# Altium PCB BMD_RevB_PCB.PcbDoc (part 1 of 3)
Units mil, origin at the board's own origin, x right, y up, seen from the top; angles counter-clockwise.
Board outline 5748.03 x 2329.72 mil, 6 copper layers (L1-Top, L2-GND, L3-MID, L4-PWR, L5-PWR5V, L6-Bottom), stack 60.268 mil thick; 313 components, 215 nets, 1099 pads, 390 vias.
Unrouted connection lines stored in the file: 98.
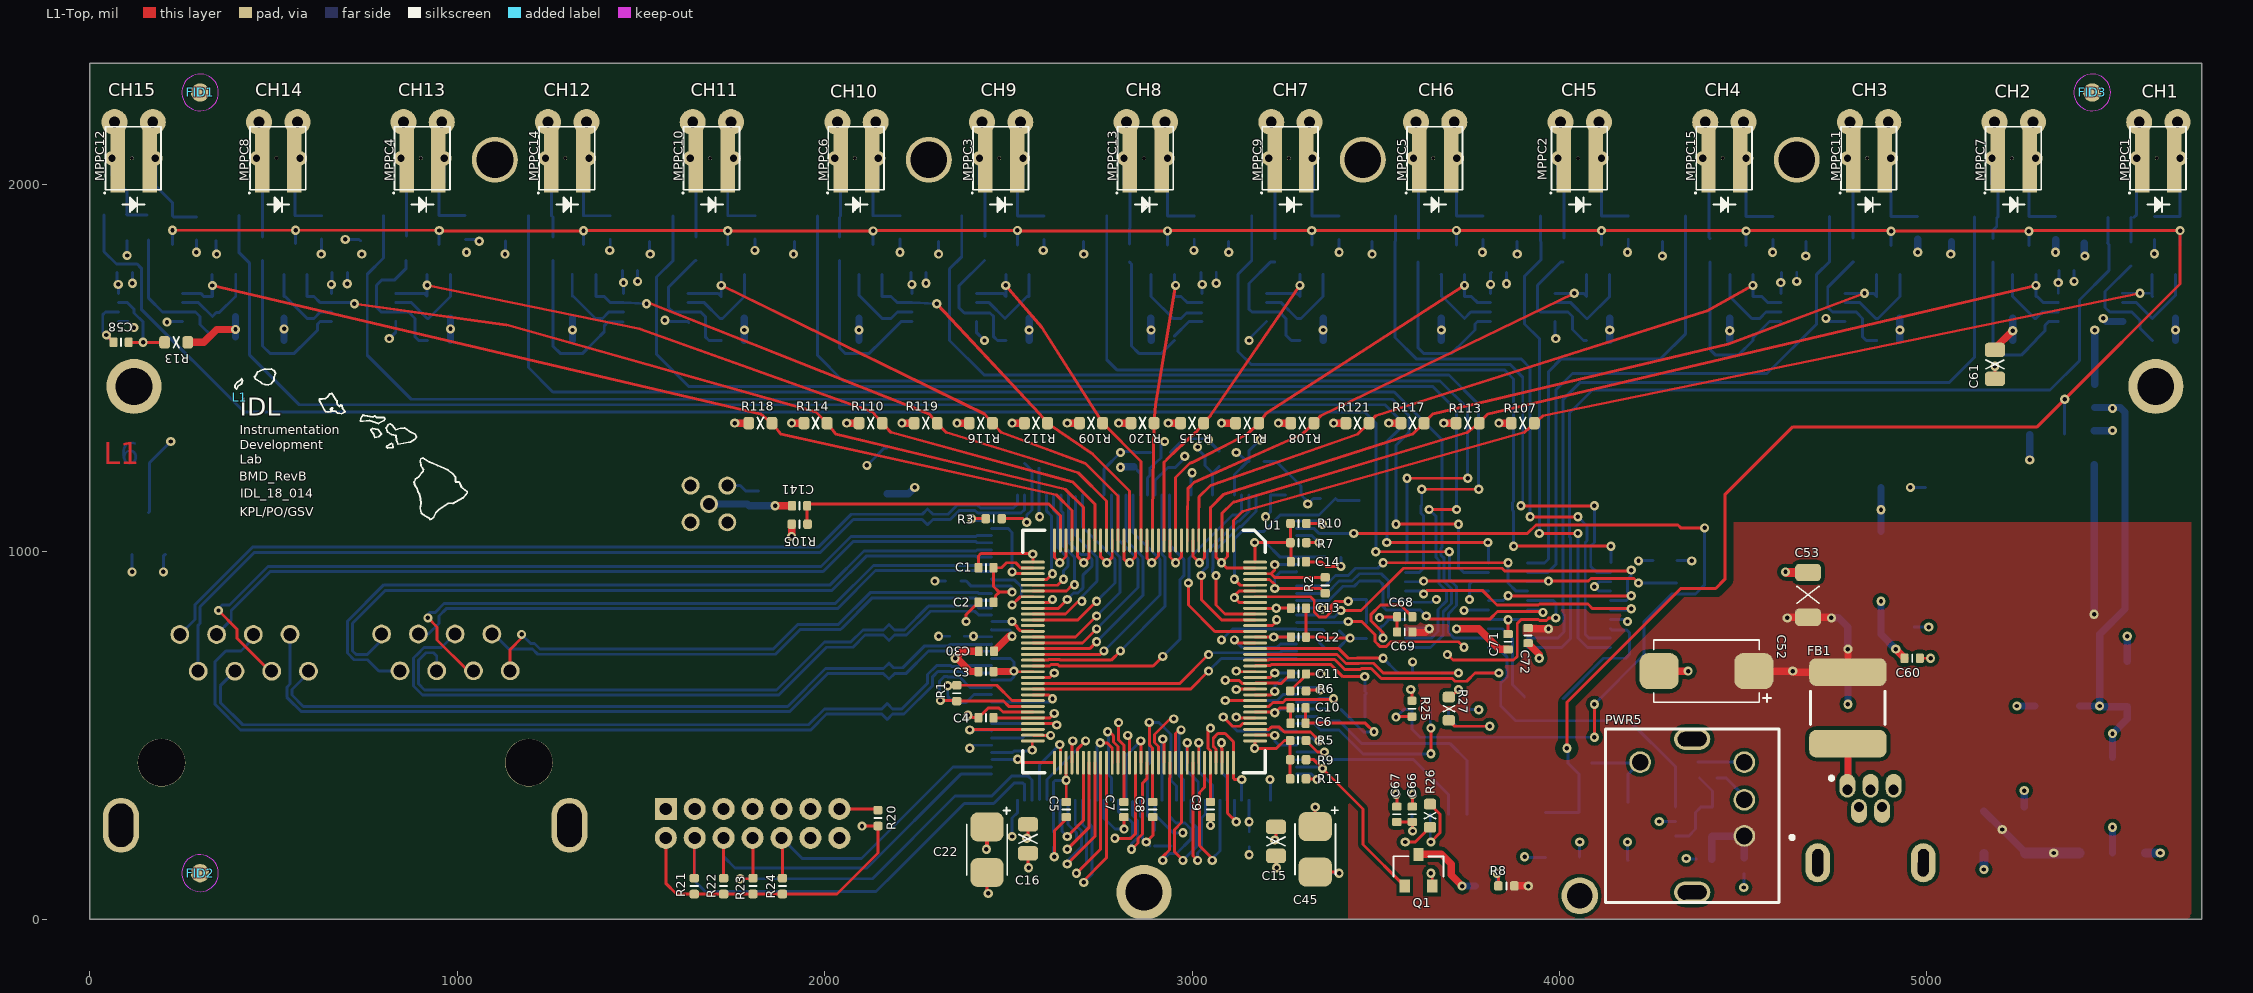
[diagram p0: L1-Top view]
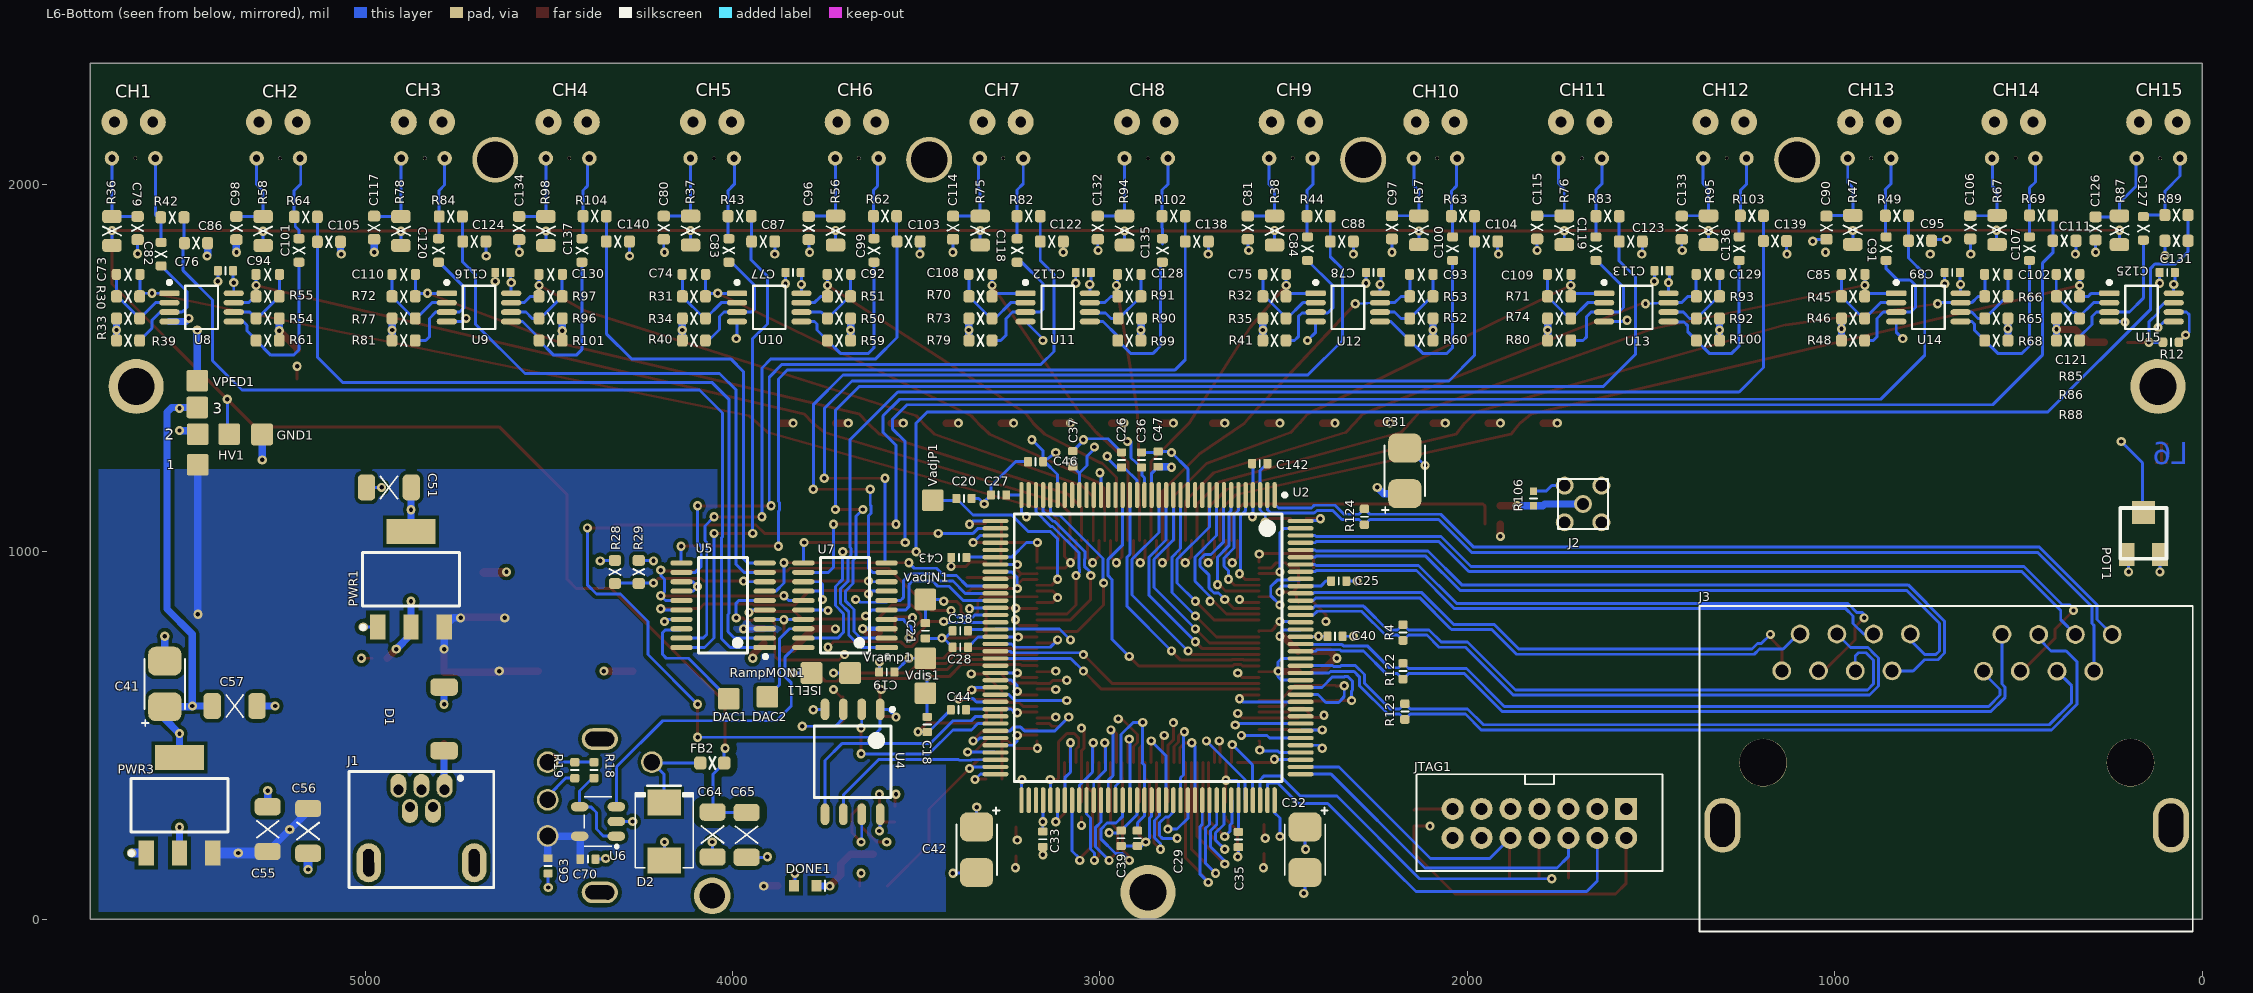
[diagram p1: L6-Bottom view, seen from below]
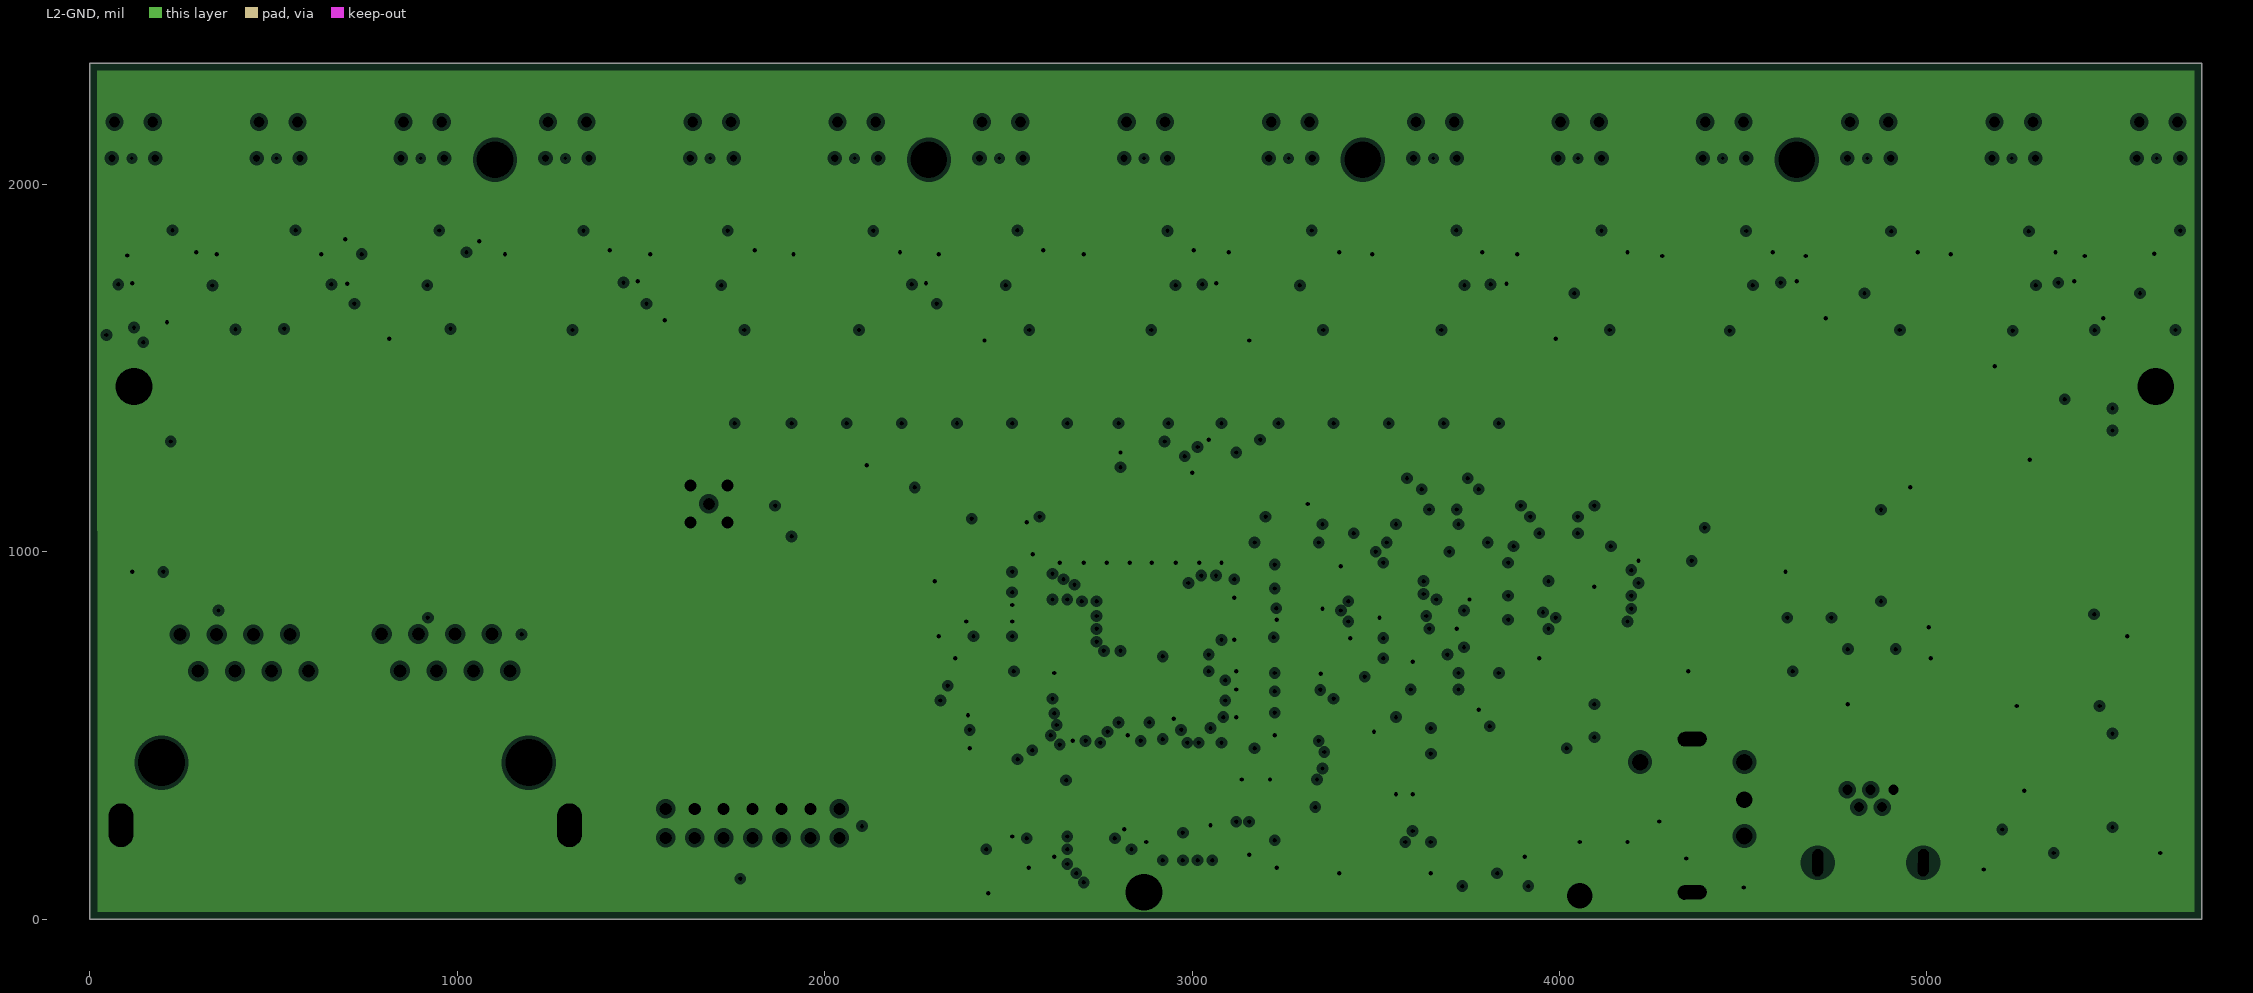
[diagram p2: L2-GND, clearances drawn from the general rule]
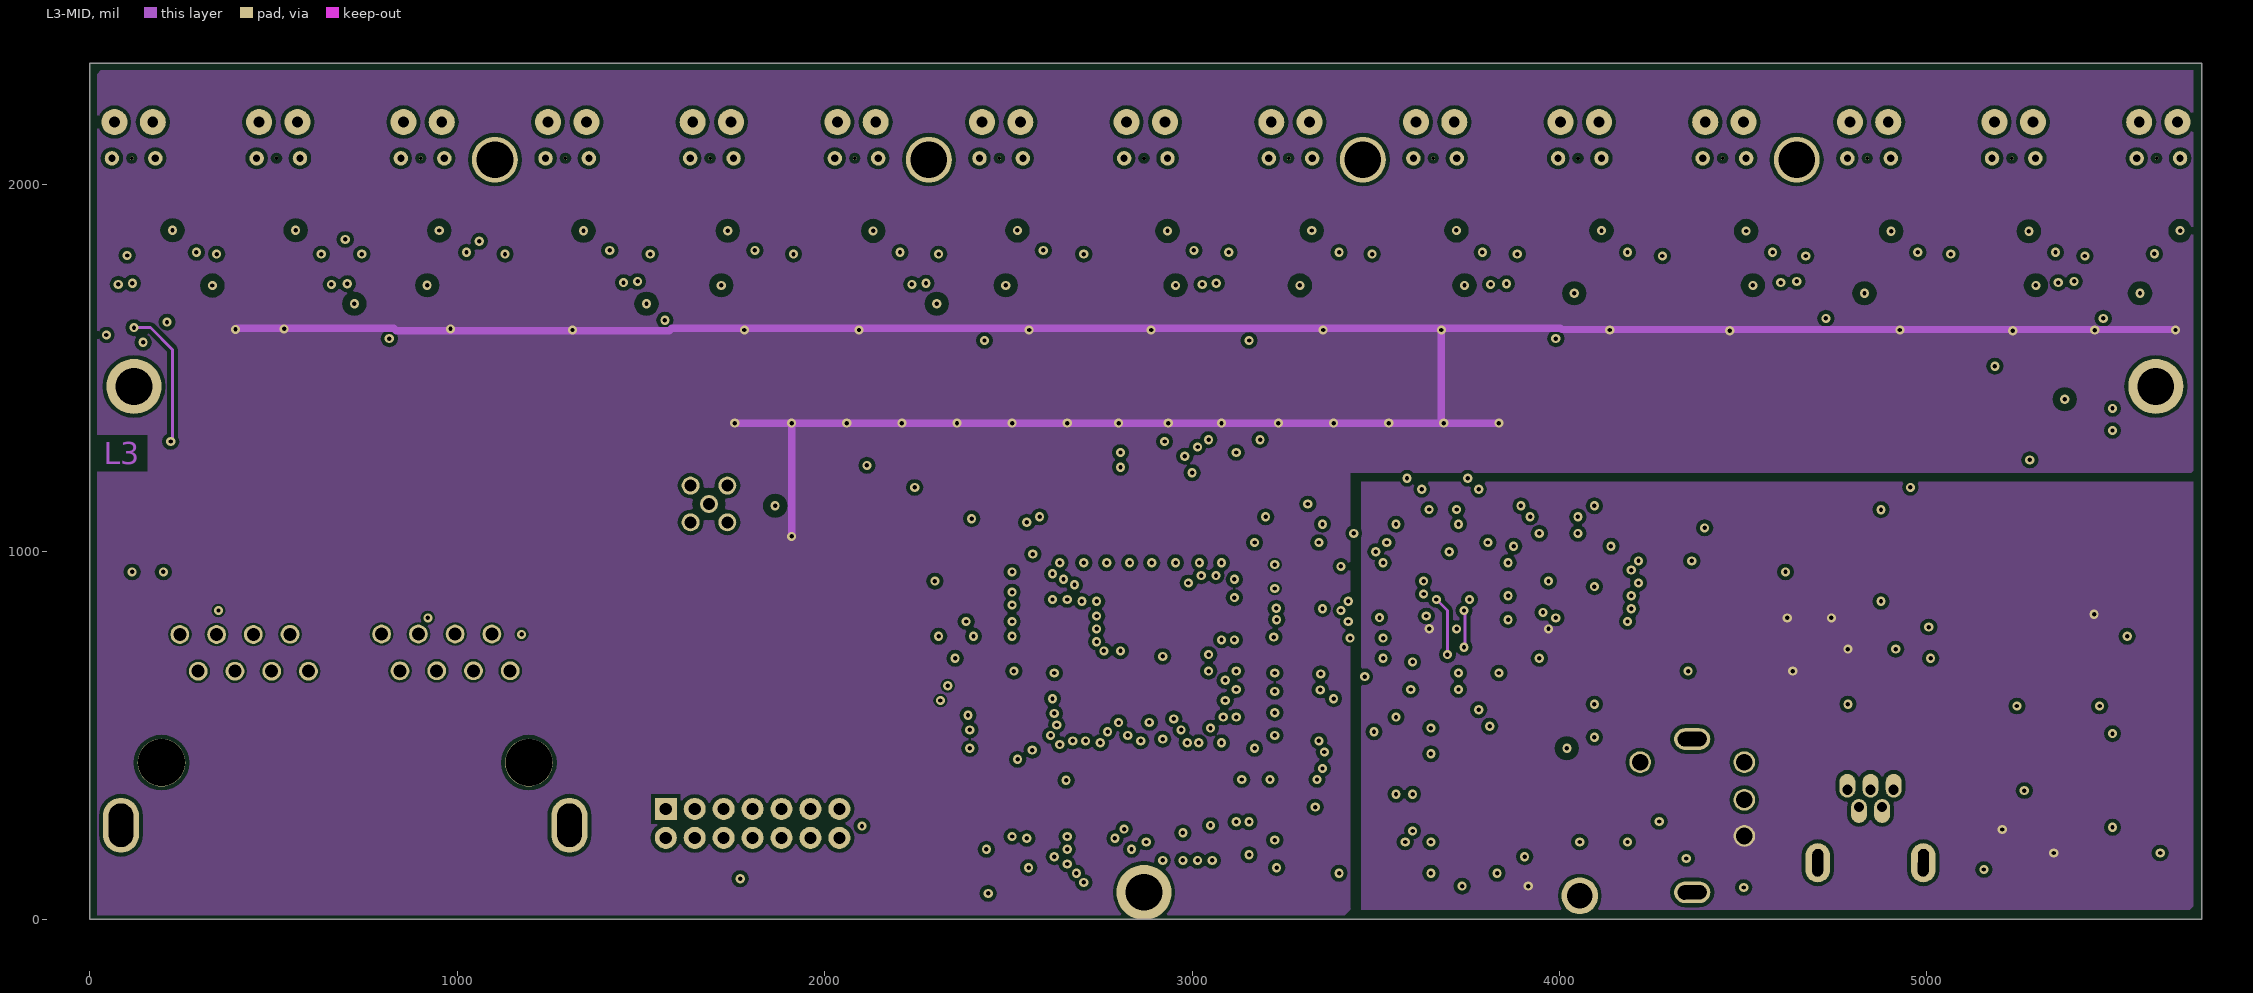
[diagram p3: L3-MID]
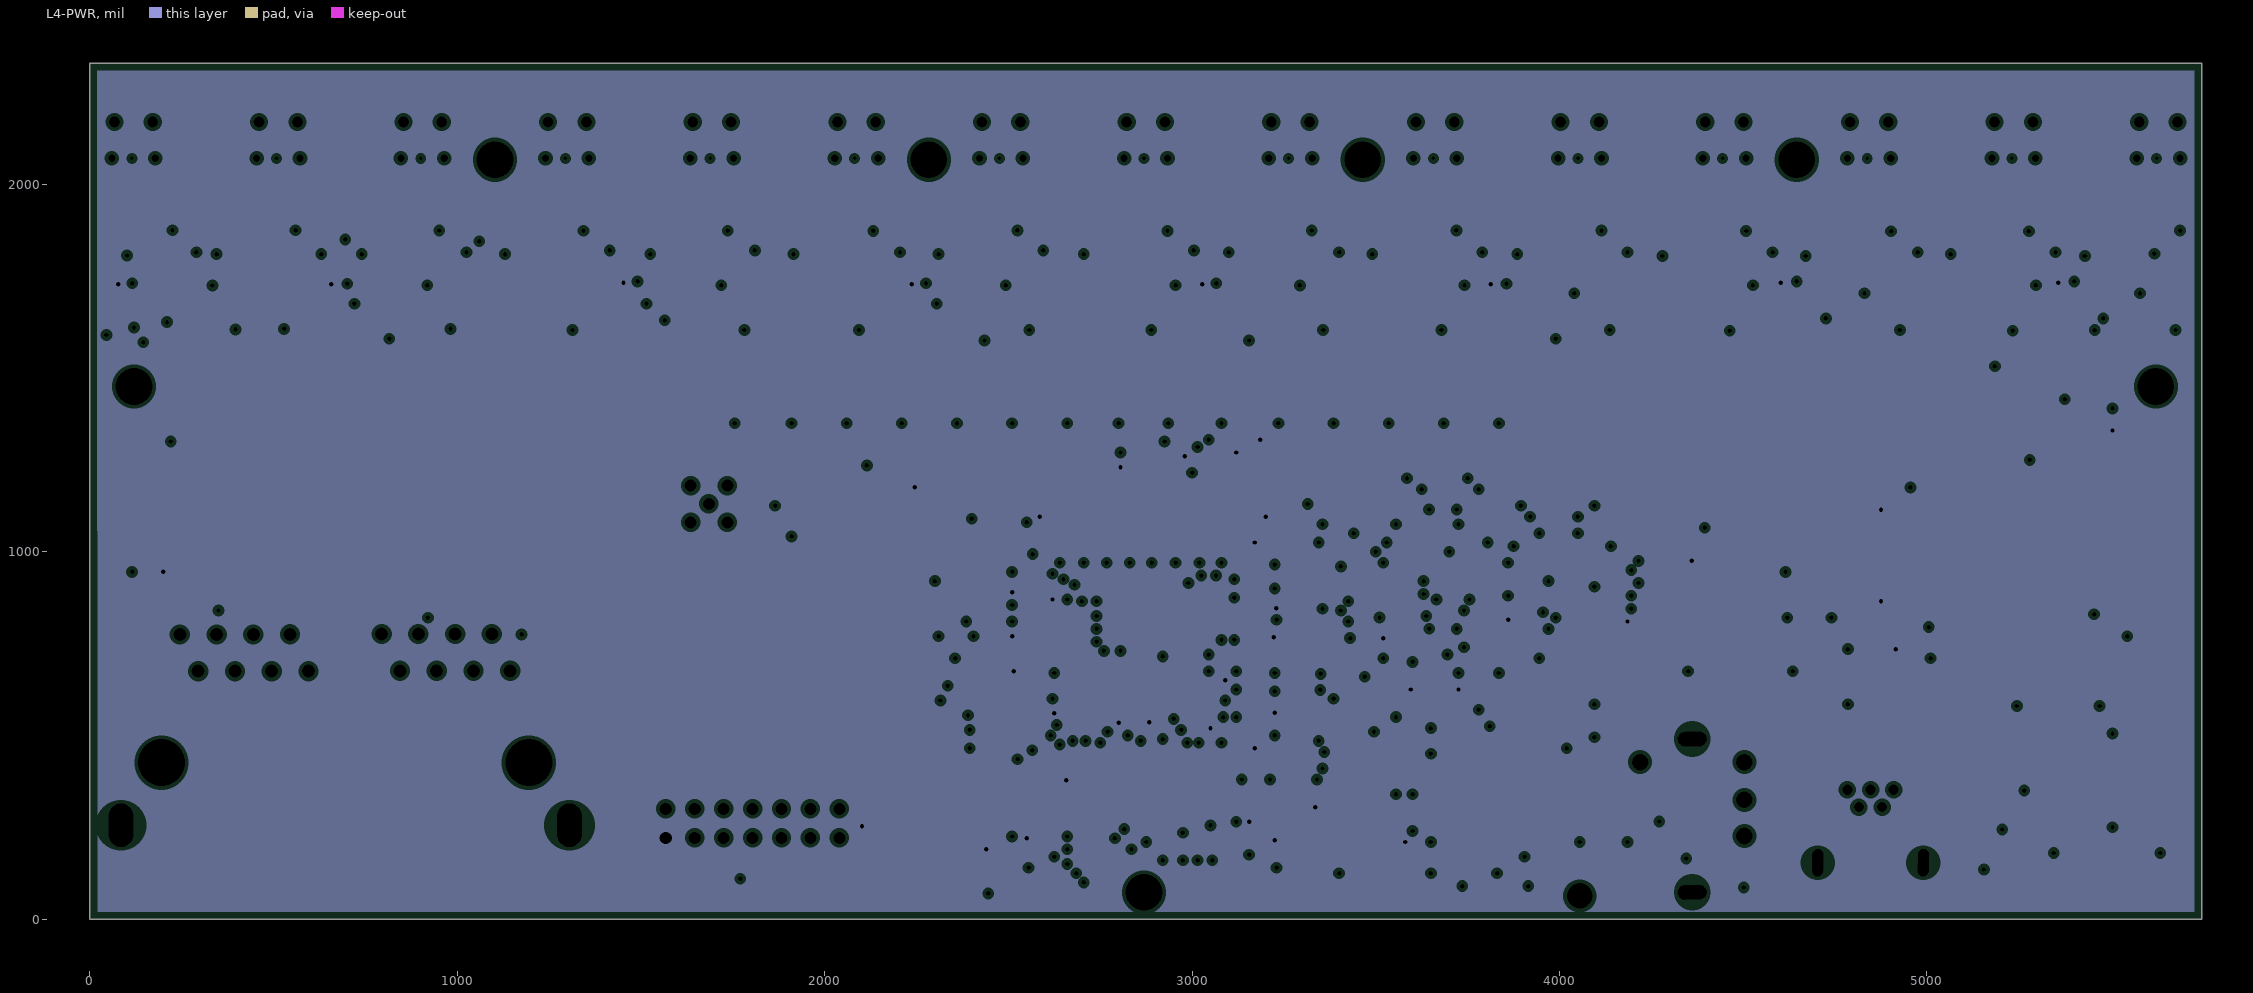
[diagram p4: L4-PWR, clearances drawn from the general rule]
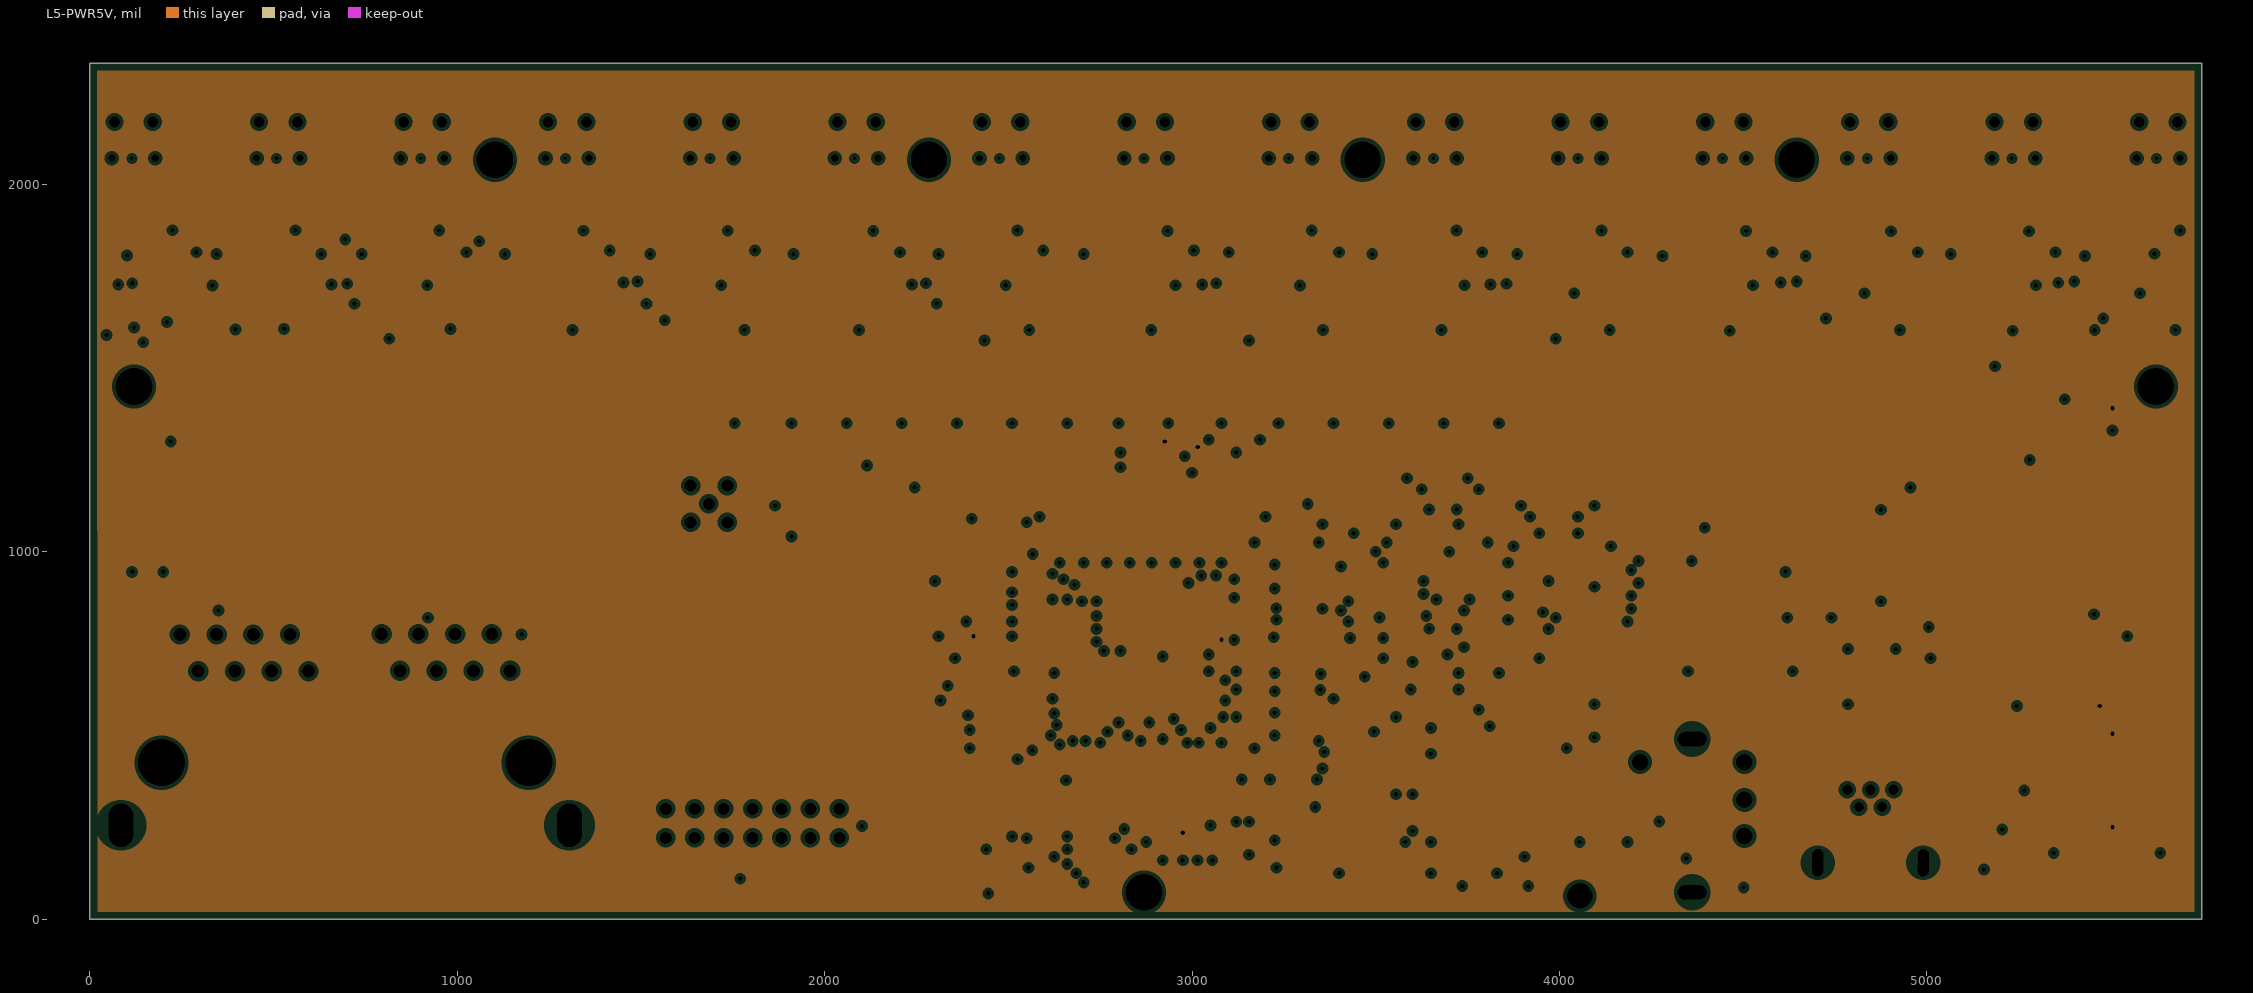
[diagram p5: L5-PWR5V, clearances drawn from the general rule]

## Layer stack, top to bottom
Top Solder: solder mask 0.4, Solder Resist, Dk 3.5
L1-Top: signal copper 1.378
Dielectric 1: prepreg 8, FR-4, Dk 4.65
L2-GND: plane copper 1.378, net GND
Dielectric 2: core 12, FR-4, Dk 4.65
L3-MID: signal copper 1.378
Dielectric 3: dielectric 12, FR-4, Dk 4.65
L4-PWR: plane copper 1.378, net +2V5
Dielectric 4: dielectric 12, FR-4, Dk 4.65
L5-PWR5V: plane copper 1.378, net +1V2
Dielectric 5: prepreg 8, FR-4, Dk 4.65
L6-Bottom: signal copper 1.378
Bottom Solder: solder mask 0.4, Solder Resist, Dk 3.5

## Board outline
5748.05,0 5748.05,1186.02 5748.05,2329.72 0.01,2329.72 0.01,1186.02 0.18,926.38 0.12,0

## Design rules (kind name [scope] priority, off if disabled: settings)
Clearance Clearance_Diff [(InDifferentialPairClass('All Differential Pairs'))] p1: gap=6 ignorepadtopadclearanceinfootprint=FALSE except(0: Arc-Hole Track-Hole SMDPad-Hole THPad-Hole Via-Hole Fill-Hole Poly-Hole Region-Hole Text-Hole; 20: Track-Poly)
Clearance Clearance_RF [InNetClass('RF') or InNet('+HV') or InNet('Calibration') or InNet('Cold_side')] p2: gap=20 ignorepadtopadclearanceinfootprint=FALSE except(0: Arc-Hole Track-Hole SMDPad-Hole THPad-Hole Via-Hole Fill-Hole Poly-Hole Region-Hole Text-Hole; 6: Arc-Arc Arc-Track Arc-SMDPad Arc-THPad Arc-Via Track-Track Track-SMDPad Track-THPad Track-Via SMDPad-SMDPad SMDPad-THPad SMDPad-Via THPad-THPad THPad-Via Via-Via)
Clearance Clearance_Poly [All] p3: gap=10 ignorepadtopadclearanceinfootprint=FALSE except(0: Arc-Hole Track-Hole SMDPad-Hole THPad-Hole Via-Hole Fill-Hole Poly-Hole Region-Hole Text-Hole; 6: Arc-Arc Arc-Track Arc-SMDPad Arc-THPad Arc-Via Track-Track Track-SMDPad Track-THPad Track-Via SMDPad-SMDPad SMDPad-THPad SMDPad-Via THPad-THPad THPad-Via Via-Via)
Clearance Clearance_KeepOut [Iskeepout] p4 off: gap=20 ignorepadtopadclearanceinfootprint=FALSE except(0: Arc-Hole Track-Hole SMDPad-Hole THPad-Hole Via-Hole Fill-Hole Poly-Hole Region-Hole Text-Hole)
Clearance [All] p5: gap=6 ignorepadtopadclearanceinfootprint=FALSE except(0: Arc-Hole Track-Hole SMDPad-Hole THPad-Hole Via-Hole Fill-Hole Poly-Hole Region-Hole Text-Hole)
ComponentClearance [All] p1 off: gap=10 collisioncheckmode=3 verticalgap=10 showdistances=FALSE
DiffPairsRouting [All] p1: maxlimit=10 minlimit=4 mostfreqgap=6 toplayer_minwidth=4 toplayer_maxwidth=12 toplayer_prefwidth=8 midlayer1_minwidth=4 midlayer1_maxwidth=12 midlayer1_prefwidth=8 bottomlayer_minwidth=4 bottomlayer_maxwidth=12 bottomlayer_prefwidth=8 maxuncoupledlength=500
Height [All] p1 off: minheight=0 maxheight=1000 prefheight=500
HoleSize [All] p1: absolutevalues=TRUE maxlimit=150 minlimit=9 maxpercent=80.000 minpercent=20.000
MinimumSolderMaskSliver [All] p1: minsoldermaskwidth=5
NetAntennae [All] p1 off: netantennaetolerance=0
PlaneClearance [All] p1: clearance=10
PlaneConnect PlaneConnect_vIA [ISvIA] p1: planeconnectstyle=Direct reliefexpansion=20 reliefentries=4 reliefconductorwidth=10 reliefairgap=10
PlaneConnect [All] p2: planeconnectstyle=Direct reliefexpansion=12 reliefentries=4 reliefconductorwidth=15 reliefairgap=8
PolygonConnect PolygonConnect_FPGA [HasFootprint('TQG144_N') AND InComponent('U2') vs InNamedPolygon('Top Layer-GND')] p1: connectstyle=Relief reliefconductorwidth=8 reliefentries=4 polygonreliefangle="90 Angle" airgapwidth=12
PolygonConnect PolygonConnect_Via [IsVia or HasFootprint('ERF8-013-01-S-D-EM4-FEMALE') or HasFootprint('ERM8-013-01-L-D-EM2-MALE') or HasFootprint('CTC-B3528-21') or HasFootprint('CC0805N1R') or HasFootprint('CTC-D7343-43') or HasFootprint('SOT223') or HasFootprint('CC1206N1R') or HasFootprint('DSMB-N') or HasFootprint('SOD128') or HasFootprint('FB2220N1R') or HasFootprint('TO-263-4 DDPAK')or HasFootprint('UltraVolt XS') or HasFootprint('FB0603N1R') or InNet('GND') or InNet('VPED') or InNet('+2V5') or InNet('+1V8') or InNet('+5V') or InNet('5V_CALIB') or InNet('Cold_side')] p2: connectstyle=Direct reliefconductorwidth=10 reliefentries=4 polygonreliefangle="90 Angle" airgapwidth=10
PolygonConnect PolygonConnect_Main [All] p3: connectstyle=Relief reliefconductorwidth=12 reliefentries=4 polygonreliefangle="90 Angle" airgapwidth=10
RoutingVias [All] p1: holewidth=12 width=25 viastyle="Through Hole" minholewidth=6 minwidth=12 maxholewidth=25 maxwidth=50
SilkToSilkClearance [All] p1: silktosilkclearance=5
SilkToSolderMaskClearance SilkscreenOverComponentPads [IsPad] p1: minsilkscreentomaskgap=5 clearancetoexposedcopper=TRUE
SolderMaskExpansion [All] p1: expansion=2
Width Width_Logo [HasFootprint('ITECH_LOGO')] p1: maxlimit=10 minlimit=1 preferedwidth=2
Width [All] p2: maxlimit=50 minlimit=6 preferedwidth=8 midlayer1_maxwidth=20 minimp=50.000000 maximp=50.000000 favimp=50.000000
20 further rules are at their usual default settings.

## Classes and differential pairs
component class BMD_RevB_B6_INOUT: 1 2 3 C51 C52 C53 C55 C56 C57 C58 C60 C61 C63 C64 C65 C141 D1 D2 FB1 FB2 FID1 FID2 FID3 GND1 HV1 J1 J2 J3 L1 POT1 PWR1 PWR3 PWR5 R12 R13 R18 R19 R105 R106 SP8 VPED1
component class BMD_RevB_B5_AMP: C73 C74 C75 C76 C77 C78 C79 C80 C81 C82 C83 C84 C85 C86 C87 C88 C89 C90 C91 C92 C93 C94 C95 C96 C97 C98 C99 C100 C101 C102 C103 C104 C105 C106 C107 C108 C109 C110 C111 C112 C113 C114 C115 C116 C117 C118 C119 C120 C121 C122 C123 C124 C125 C126 C127 C128 C129 C130 C131 C132 C133 C134 C135 C136 C137 C138 C139 C140 MPPC1 MPPC2 MPPC3 MPPC4 MPPC5 MPPC6 MPPC7 MPPC8 MPPC9 MPPC10 MPPC11 MPPC12 MPPC13 MPPC14 MPPC15 R30 R31 R32 R33 R34 R35 R36 R37 R38 R39 R40 R41 R42 R43 R44 R45 R46 R47 R48 R49 R50 R51 R52 R53 R54 R55 R56 R57 R58 R59 R60 R61 R62 R63 R64 R65 R66 R67 R68 R69 R70 R71 R72 R73 R74 R75 R76 R77 R78 R79 R80 R81 R82 R83 R84 R85 R86 R87 R88 R89 R90 R91 R92 R93 R94 R95 R96 R97 R98 R99 R100 R101 R102 R103 R104 R107 R108 R109 R110 R111 R112 R113 R114 R115 R116 R117 R118 R119 R120 R121 U8 U9 U10 U11 U12 U13 U14 U15
component class BMD_RevB_B4_FPGA2: C66 C67 C68 C69 C70 C71 C72 DAC1 DAC2 JTAG1 R20 R21 R22 R23 R24 R25 R26 R27 R28 R29 U4 U5 U6 U7
component class BMD_RevB_B3_FPGA: C22 C25 C26 C27 C28 C29 C30 C31 C32 C33 C35 C36 C37 C38 C39 C40 C41 C42 C43 C44 C45 C46 C47 C142 DONE1 Q1 R3 R4 R5 R6 R7 R8 R9 R10 R11 R122 R123 R124 R? U2
component class BMD_RevB_B2_TX: C1 C2 C3 C4 C5 C6 C7 C8 C9 C10 C11 C12 C13 C14 C15 C16 C18 C19 C20 C21 ISEL1 R1 R2 RampMON1 U1 VadjN1 VadjP1 Vdis1 Vramp1
net class RF: AUX1_N AUX1_P CH1_TGXIN CH2_TGXIN CH3_TGXIN CH4_TGXIN CH5_TGXIN CH6_TGXIN CH7_TGXIN CH8_TGXIN CH9_TGXIN CH10_TGXIN CH11_TGXIN CH12_TGXIN CH13_TGXIN CH14_TGXIN CH15_TGXIN CH16_CALIB DATA_OUT_N DATA_OUT_P NetC141_2 SC-DC_CLK_N SC-DC_CLK_P TX_N TX_P
differential pair TX: +TX_P -TX_N
differential pair DATA_OUT: +DATA_OUT_P -DATA_OUT_N
differential pair AUX1: +AUX1_P -AUX1_N
differential pair MAS_ACK: +MAS_ACK_P -MAS_ACK_N
differential pair SC-DC_CLK: +SC-DC_CLK_P -SC-DC_CLK_N
differential pair RX: +RX_P -RX_N
differential pair ORed_Trig: +ORed_Trig_P -ORed_Trig_N
differential pair DATA_IN: +DATA_IN_P -DATA_IN_N
differential pair WL_CLK: +WL_CLK_P -WL_CLK_N
differential pair SSTIN: +SSTIN_P -SSTIN_N
